# Altium PCB SAC100001-PB-Collar.PcbDoc (part 3 of 4) (continued)
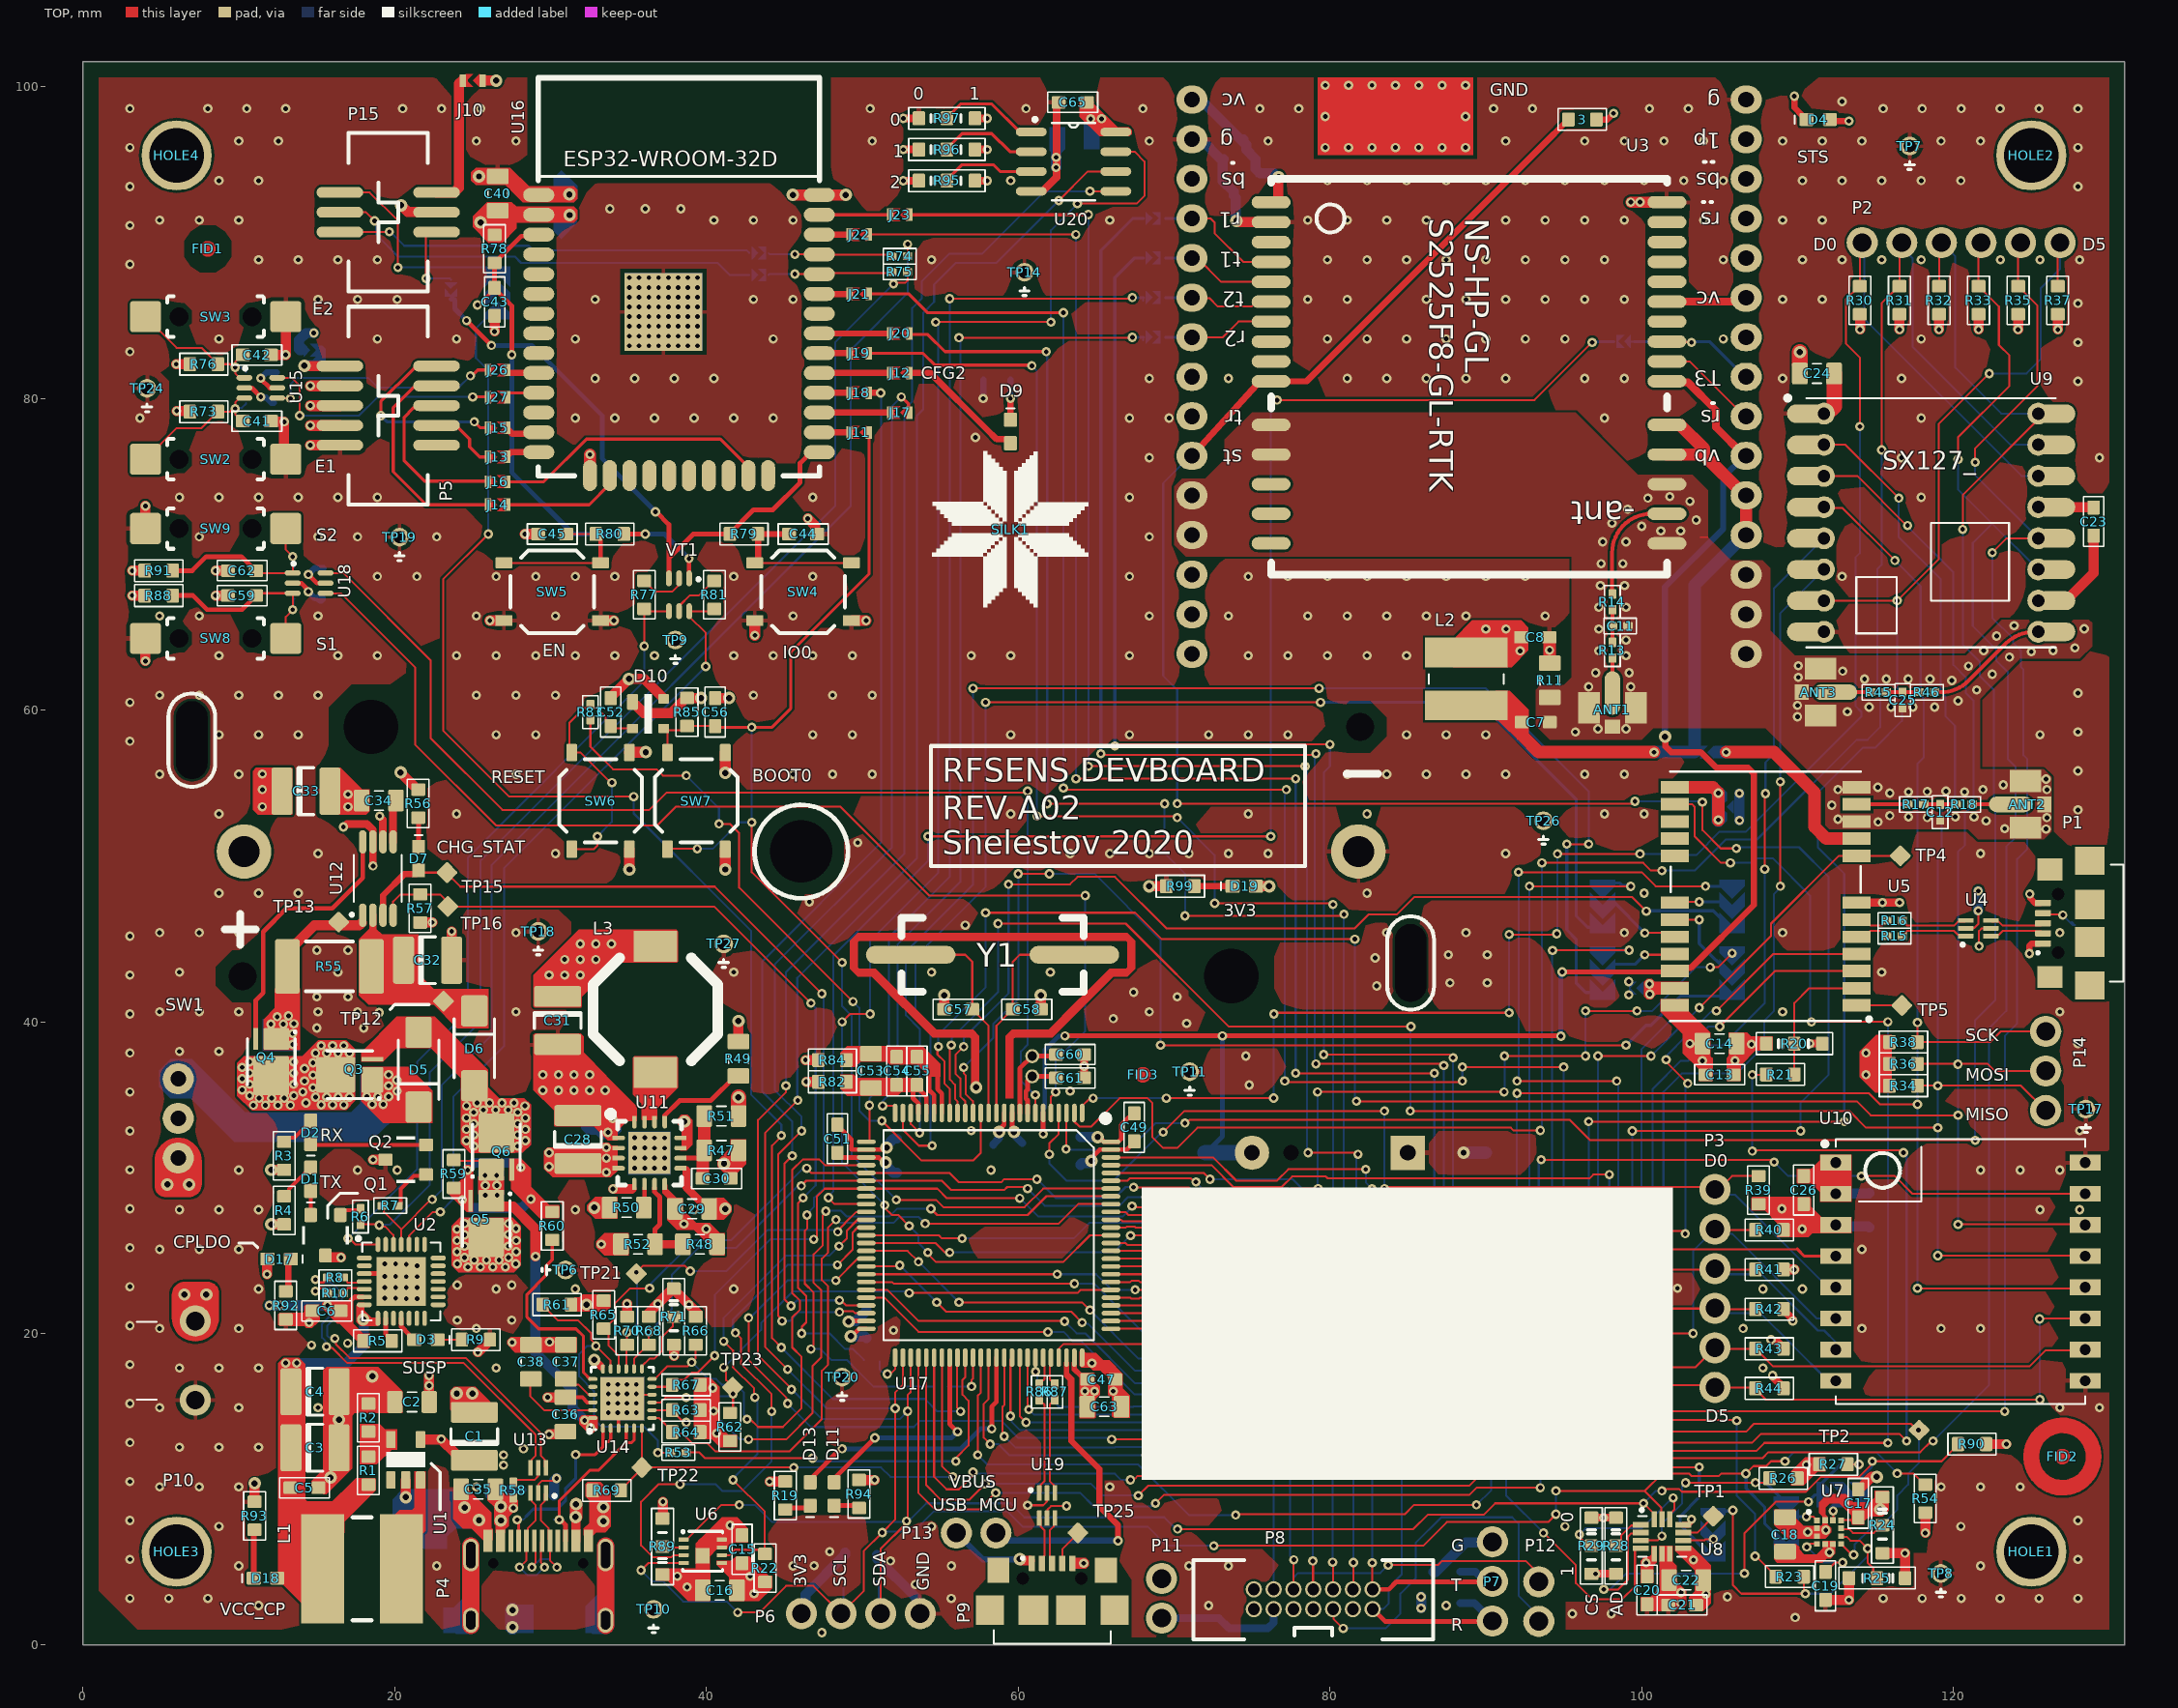
[diagram p0: TOP view]
## Nets (pads, with @x,y where several pads share a name; then routed paths per layer and width w, separated by ;. In a path a pad name is that pad's centre, name@x,y a point inside that pad or via, vN(x,y) a via of type N, cw(c..) or ccw(c..) an arc to the next point about the centre after c; other vN are vias at no path point) (continued)
  BOT w0.127: v1(61.9,20.1) 62.9,20.1 63.5,19.5 64.05,19.5 67.45,16.1 v1(68.6,16.1) ; v1(101.4,16.1) 101.4,35.5 102.577,36.677 106.077,36.677 107.875,38.475 107.875,40.075 108.5,40.7 108.5,48.206 108.9,48.606 v1(108.9,48.7) ; v1(108.9,55.4) 108.9,66.225 U9.6@111.7,69.025
RF2_D0: P3.1 R39.2 U10.5 U17.4 | length 67.3
  TOP w0.127: v1(62,31.5) 62,32.2 62.6,32.8 U17.4@62.6,34.15 ; v1(69.3,32.916) 70.661,34.277 v1(83.5,34.277) ; v1(83.5,29.3) 83.594,29.3 83.691,29.397 104.543,29.397 P3.1@104.7,29.24 104.933,29.24 105.793,30.1 R39.2@107.5,30.1
  BOT w0.127: v1(62,31.5) 62,30.9 63.1,29.8 66.1,29.8 69.216,32.916 v1(69.3,32.916) ; v1(83.5,29.3) v1(83.5,34.277) ; P3.1@104.38,28.9 104.386,28.906 105.716,28.906 105.722,28.9 106,28.9 111.562,23.338 112.087,23.338 U10.5@112.46,22.965
RF2_D1: P3.2 R40.2 U10.6 U17.56 | length 86.8
  TOP w0.127: U17.56@54.6,18.45 54.6,10.8 55.4,10 56.2,10 57.009,10.809 57.009,11.009 v1(57.1,11.1) ; v1(67.2,10.6) 67.291,10.691 67.491,10.691 67.661,10.861 88.861,10.861 89.577,11.577 95.423,11.577 v1(95.6,11.4) ; v1(95.6,20) v1(103.3,20) ; P3.2@104.09,26.65 P3.2@104.14,26.6 ; P3.2@104.7,26.64 R40.2@107.3,26.64
  BOT w0.127: v1(57.1,11.1) 57.191,11.009 57.401,11.009 57.411,11 66.2,11 66.6,10.6 v1(67.2,10.6) ; v1(95.6,11.4) v1(95.6,20) ; v1(103.3,20) 103.3,25.3 P3.2@104.4,26.4 ; P3.2@104.7,26.7 P3.2@104.4,26.4 ; U10.6@112.46,20.965 111.235,20.965 105.8,26.4 P3.2@104.4,26.4
RF2_D2: P3.3 R41.2 U10.7 U17.55 | length 86.7
  TOP w0.127: U17.55@54.1,18.45 54.1,10.264 55.041,9.323 56.848,9.323 v1(57.875,10.35) ; v1(67.7,9.6) 68.325,10.225 88.925,10.225 89.7,11 v1(94.5,11) ; v1(94.5,24.1) 104.64,24.1 P3.3@104.7,24.16 ; P3.3@104.61,24.13 104.64,24.16 104.67,24.13 104.7,24.1 R41.2@107.3,24.1
  BOT w0.127: v1(57.875,10.35) 64.675,10.35 65.425,9.6 v1(67.7,9.6) ; v1(94.5,11) v1(94.5,24.1) ; P3.3@104.4,23.8 107.7,23.8 111.312,20.188 111.712,20.188 112.46,19.44 U10.7@112.46,18.965
RF2_D3: P3.4 R42.2 U10.8 U17.54 | length 86
  TOP w0.127: U17.54@53.6,18.45 53.6,9.764 54.664,8.7 57.475,8.7 v1(58.55,9.775) ; v1(68.8,9.1) 69.338,9.638 88.938,9.638 89.4,10.1 v1(93.5,10.1) ; v1(93.5,21.6) 104.68,21.6 P3.4@104.7,21.62 ; P3.4@104.65,21.61 104.7,21.56 R42.2@107.3,21.56
  BOT w0.127: v1(58.55,9.775) 63.975,9.775 64.85,8.9 68.489,8.9 68.689,9.1 v1(68.8,9.1) ; v1(93.5,10.1) v1(93.5,21.6) ; P3.4@104.1,21.56 104.36,21.3 107.636,21.3 109.677,19.259 109.677,19.248 111.96,16.965 U10.8@112.46,16.965
RF2_D4: P3.5 R43.2 U10.10 U17.96 | length 75.1
  TOP w0.127: U17.96@65.95,30.3 71.9,30.3 v1(72.3,29.9) ; v1(79.5,17.8) 79.531,17.831 103.451,17.831 104.64,19.02 P3.5@104.7,19.08 ; P3.5@104.7,19.02 R43.2@107.3,19.02 107.3,18.97 107.573,18.697 107.623,18.697 108.42,17.9 124.9,17.9 125.928,18.928 128.423,18.928 U10.10@128.46,18.965
  BOT w0.127: v1(72.3,29.9) 77.6,29.9 79.5,28 v1(79.5,17.8)
RF2_D5: P3.6 R44.2 U10.11 U17.95 | length 82.4
  TOP w0.127: U17.95@65.95,29.8 67.004,29.8 67.161,29.957 71.072,29.957 71.306,29.723 v1(71.4,29.723) ; v1(78.2,16.7) 78.223,16.677 104.563,16.677 P3.6@104.7,16.54 ; P3.6@104.72,16.54 107.19,16.54 107.25,16.48 R44.2@107.3,16.48 ; R44.2@107.3,16.43 107.977,15.753 v1(125.553,15.753) ; v1(125.535,20.935) 125.565,20.965 U10.11@128.46,20.965
  BOT w0.127: v1(71.4,29.723) 71.466,29.657 71.466,29.627 71.771,29.323 77.323,29.323 78.275,28.371 78.275,16.775 v1(78.2,16.7) ; P3.6@104.1,16.48 104.572,16.48 P3.6@105.149,15.903 ; v1(125.535,20.935) 125.553,20.917 v1(125.553,15.753) ; U10.11@127.96,20.965 U10.11@128.465,20.965
RF2NSS: U10.15 U17.43 | length 88.4
  TOP w0.127: U17.43@50.25,23.8 v1(62.5,23.8) ; v1(67.5,22.8) 91.1,22.8 91.5,22.4 v1(93.4,22.4) ; v1(93.55,31.15) 93.577,31.123 108.377,31.123 v1(108.5,31) ; v1(114.1,30.1) 116.25,30.1 117.385,28.965 U10.15@128.46,28.965
  BOT w0.127: v1(62.5,23.8) 65,23.8 66,22.8 v1(67.5,22.8) ; v1(93.4,22.4) 93.4,31 v1(93.55,31.15) ; v1(108.5,31) 109.4,30.1 v1(114.1,30.1)
RF2RST: U10.4 U17.44 | length 69.7
  TOP w0.127: U17.44@50.25,23.3 51.9,23.3 52,23.2 v1(63.6,23.2) ; v1(68.275,19.8) 76.8,19.8 77.2,19.4 87.1,19.4 87.6,19.9 v1(89.5,19.9) ; v1@89.61,25.41 109.99,25.41
  TOP w0.2: v1(89.5,25.3) v1@89.61,25.41 ; 109.99,25.41 110.435,24.965 U10.4@112.46,24.965
  BOT w0.127: v1(63.6,23.2) 64.876,23.2 66.055,22.02 v1(68.275,19.8) ; v1(89.5,19.9) v1(89.5,25.3)
RF_MISO: P14.1 R34.2 U9.2 U10.13 U17.17 | length 159.3
  TOP w0.127: v1(55.7,38.5) 55.62,38.42 55.62,37.582 55.62,36.288 55.943,35.965 55.943,35.057 56.1,34.9 U17.17@56.1,34.15 ; v1(58.7,46.3) 66.9,46.3 73.5,39.7 v1(85.2,39.7) ; v1(85.154,34.277) 113.323,34.277 114.4,33.2 v1(119,33.2) ; U9.2@110.625,77.025 U9.2@111.7,77.025 113.075,77.025 v1(116.5,73.6) ; R34.2@117.7,35.9 124.335,35.9 P14.1@125.925,34.31 ; v1(119,25) 128.425,25 U10.13@128.46,24.965
  BOT w0.127: v1(55.7,38.5) 55.727,38.527 55.727,38.927 58.7,41.9 v1(58.7,46.3) ; v1(85.154,34.277) 85.177,34.3 85.177,39.677 v1(85.2,39.7) ; v1(116.5,73.6) 116.486,73.586 116.486,71.114 119.2,68.4 119.2,61.15 119.5,60.85 119.5,59.6 120.102,58.998 120.102,54.452 119.25,53.6 119.25,51.1 119,50.85 v1(119,33.2) v1(119,25) ; U10.13@127.96,24.965 U10.13@128.46,24.965
  other v1: 119,35.9
RF_MOSI: P14.2 R36.2 U9.3 U10.14 U17.18 | length 160.8
  TOP w0.127: v1(54.877,38.411) 54.819,38.353 54.819,37.898 55.277,37.44 55.277,36.023 55.6,35.7 U17.18@55.6,34.15 ; v1(57.9,47) 67.5,47 69.2,45.3 v1(81.6,45.3) ; v1(81.7,34.9) 113.8,34.9 114.7,34 v1(120.3,34) ; U9.3@110.625,75.025 U9.3@111.7,75.025 113.825,75.025 117,71.85 v1(117.063,71.85) ; R36.2@117.7,37.3 122.2,37.3 122.65,36.85 P14.2@125.925,36.85 ; v1(120.3,27) 128.225,27 128.325,27.1 U10.14@128.46,26.965
  BOT w0.127: v1@54.858,38.411 v1(54.877,38.411) 54.877,39.177 57.9,42.2 v1(57.9,47) ; v1(81.6,45.3) 81.6,35 v1(81.7,34.9) ; v1(117.063,71.85) 117.063,71.787 120,68.85 120,62.9 120.8,62.1 120.8,61.1 121.302,60.598 121.302,53.941 120.75,53.389 120.75,51.35 120.3,50.9 v1(120.3,34) v1(120.3,27) ; U10.14@127.512,27.338 128.087,27.338 U10.14@128.46,26.965
  other v1: 120.295,37.277
RF_SCK: P14.3 R38.2 U9.4 U10.12 U17.82 | length 140.7
  TOP w0.127: U17.82@65.95,23.3 67.184,23.3 67.261,23.377 67.739,23.377 67.816,23.3 v1(92,23.3) ; v1(92,35.413) 114.587,35.413 115.3,34.7 v1(117.7,34.7) ; U9.4@110.625,73.025 111.325,73.025 111.39,72.96 112.89,72.96 v1(116.25,69.6) ; v1(117.7,22.9) 127.925,22.9 128.225,23.2 U10.12@128.46,22.965 ; v1(117.7,39.95) R38.2@117.7,38.7 122.375,38.7 123.065,39.39 P14.3@125.925,39.39
  BOT w0.127: v1(92,23.3) 92,35.4 v1(92,35.413) ; v1(116.25,69.6) 117.9,67.95 117.9,60.95 118.1,60.75 118.1,56.95 117.7,56.55 117.7,39.175 v1(117.7,34.7) v1(117.7,22.9) ; U10.12@127.587,23.338 127.96,22.965 U10.12@128.46,22.965
RFGND: ANT1.GND ANT2.GND ANT3.GND C7.1 C11.1 C12.1 C25.1 R11.1 U3.11 U3.12 U3.16 U3.18 U5.10 U5.12 | length 0.1
  TOP w0.5: U3.11@71.145,73.773 U3.11@71.245,73.773
  other v1: 125.95,52.375 123.3,52.4 115.175,52.825 122.1,52.9 112.6,53 118.327,53.1 126,53.1 117.123,53.15 120.125,53.15 121.327,53.15 115.925,53.225 112.2,53.9 115.925,54.675 117.123,54.75 118.327,54.775 120.725,54.75 119.525,54.8 112.6,54.9 121.9,54.9 126,54.9 115.15,55.05 123.2,55.2 125.95,55.575 95.75,58.6 97.2,58.8 99,58.8 110,59.575 113.2,59.9 114.6,60.2 116,60.2 117.4,60.2 118.8,60.2 110,60.3 120.3,60.6 121.5,61.3 96.6,61.5 99.3,61.5 119.9,61.9 114.3,62 115.7,62 117.1,62 118.5,62 110.05,62.1 122.5,62.3 97.05,62.4 99.2,62.4 112.9,62.5 120.975,62.825 110.05,62.85 123.6,63.4 99,63.5 125,63.75 97.25,63.8 121.95,63.825 126.4,63.825 127.8,64 99,64.5 122.775,64.75 97.25,65.2 128.4,65.225 123.9,65.425 97.25,66.6 99,66.6 97.35,68 98.9,68 97.4,69.4 98.8,69.4 97.5,70.8 99,70.8 101.225,71.5 102.5,71.5 100,71.8 98.1,72 103.5,72.2 99.1,72.9 103.1,73.4 100.4,73.6 101.8,73.7
RFVCC: C7.2 J7.1 L2.1 U3.19 U3.20 | length 39
  TOP w0.5: U3.20@101.625,78.3 U3.20@102.475,78.3 ; U3.20@106.605,73.773 U3.20@106.705,73.773
  TOP w0.8: 92.305,58.395 93.4,57.3 v1(100.8,57.3) ; U3.19@101.625,76.4 103.978,76.4 ; U3.20@102.475,78.3 103.978,76.797 103.978,76.4 ; U3.20@106.605,73.773 103.978,76.4 ; U3.19@106.705,71.233 U3.20@106.705,73.773
  BOT w0.5: U3.19@106.605,71.233 U3.19@106.705,71.233
  BOT w0.8: v1(100.8,57.3) 102.8,57.3 103.4,57.3 103.4,68.028 U3.19@106.605,71.233
RTS: R81.1 U2.24 VT1.6 | length 50.9
  TOP w0.127: U2.24@20.912,25.71 20.92,25.719 20.92,26.27 22.45,27.8 v1(22.925,27.8) ; v1(39.95,62.8) 39.95,64.95 38.885,66.015 VT1.6@38.885,66.345 40.345,66.345 R81.1@40.5,66.5
  BOT w0.127: v1(22.925,27.8) 23.75,28.625 23.75,35.175 27,38.425 27,49.85 v1(39.95,62.8)
RTSt2: R81.2 VT1.5 | length 3.3
  TOP w0.127: VT1.5@38.235,66.345 38.271,66.381 38.271,66.708 38.931,67.367 39.517,67.367 40.45,68.3 R81.2@40.5,68.3
SCL: CFG5.1 D15.3 P6.2 R54.2 U6.4 U8.13 U17.52 U20.6 | length 216.5
  TOP w0.127: v1(35.8,4.8) 36.273,5.273 38.523,5.273 U6.4@38.525,5.275 ; v1(42,2.1) 43.4,2.1 45.1,3.8 46.855,3.8 P6.2@48.63,2.025 ; v1(45.2,17.7) 43.75,19.15 43.75,32.85 v1(45.858,34.958) ; P6.2@48.657,2.052 50.1,3.495 50.1,6.05 v1(51.275,7.225) 52.1,8.05 v1(52.1,15.2) 52.1,16.2 52.6,16.7 U17.52@52.6,18.45 ; v1(62.6,92.7) 64.465,94.565 U20.6@66.264,94.565 ; v1(72.55,6.375) 85.975,6.375 87.502,7.902 94.002,7.902 v1(94.5,8.4) ; v1(94.5,9.9) 100.184,9.9 100.192,9.892 ; U8.13@101.309,8.081 101.261,8.129 101.261,8.839 101.245,8.839 100.192,9.892 ; v1(109.2,11.8) 108.3,11.8 107.989,11.489 107.174,11.489 106.697,11.012 v1(106.688,11.012) 105.111,11.012 104.945,10.846 103.214,10.846 103.061,10.999 101.299,10.999 100.192,9.892 ; v1(116.4,11.016) 117.434,11.016 118.15,10.3 R54.2@118.2,10.3
  BOT w0.127: v1(35.8,4.8) 36.5,4.1 37.2,4.1 38.5,2.8 41.3,2.8 v1(42,2.1) ; v1(45.2,17.7) 47.7,15.2 v1(52.1,15.2) ; v1(45.858,34.958) 45.825,34.991 45.825,42.825 53.5,50.5 53.5,78.9 53.9,79.3 53.9,85.5 54.6,86.2 54.6,87.3 56,88.7 58.6,88.7 v1(62.6,92.7) ; P6.2@48.63,2.025 48.778,2.173 48.778,3.928 D15.3@48.925,4.075 ; v1(51.275,7.225) 51.35,7.3 53.3,7.3 54.6,8.6 59.286,8.6 60.286,7.6 68.3,7.6 69.525,6.375 v1(72.55,6.375) ; v1(94.5,8.4) v1(94.5,9.9) ; v1(106.688,11.012) v1@106.7,11 ; v1(109.2,11.8) 109.777,12.377 115.039,12.377 v1(116.4,11.016)
  BOT w0.2: v1@106.7,11 106.7,10.05 107.9,8.85 107.9,7.8 109.2,6.5
SDA: CFG6.1 D15.2 P6.3 R90.2 U6.1 U8.14 U17.53 U20.5 | length 209.8
  TOP w0.127: U6.1@38.525,6.775 38.721,6.775 40.946,9 v1(42.1,9) ; v1(45.1,35.9) 45.1,35.5 43.3,33.7 43.3,18.6 45.45,16.45 v1(45.45,16.4) ; P6.3@51.17,2.025 51.17,6.17 52.847,7.847 52.847,7.952 v1(52.837,7.963) ; v1@52.9,7.963 52.9,14.6 52.9,14.677 v1(52.9,15.013) 52.9,16.05 53.1,16.25 U17.53@53.1,18.45 ; v1(64.6,93.3) 64.603,93.297 66.261,93.297 U20.5@66.264,93.295 ; v1(70.225,7.45) 85.35,7.45 86.284,8.384 89.884,8.384 90.6,9.1 v1(100.12,9.1) 100.809,8.411 U8.14@100.809,8.081 ; v1(101.3,9.9) 101.427,10.027 102.401,10.027 102.583,9.845 110.545,9.845 111.5,10.8 113.966,10.8 114.8,11.634 v1(114.8,11.8) 119.25,11.8 120.3,12.85 R90.2@120.3,12.9
  BOT w0.127: v1(42.1,9) 43.1,9 44.2,7.9 52.774,7.9 v1(52.837,7.963) ; v1(45.1,35.9) 45.1,43.2 52.692,50.792 52.692,79.292 53.2,79.8 53.2,85.8 53.8,86.4 53.8,87.5 55.6,89.3 57.7,89.3 61.7,93.3 v1(64.6,93.3) ; v1(45.45,16.4) 45.5,16.4 47.4,14.5 52.387,14.5 v1(52.9,15.013) ; D15.2@50.925,4.075 51.048,3.952 51.048,2.148 P6.3@51.17,2.025 ; v1@52.837,7.9 52.9,7.9 54.1,9.1 59.5,9.1 60.4,8.2 69.375,8.2 70.125,7.45 v1(70.225,7.45) ; v1(100.12,9.1) 100.92,9.9 v1(101.3,9.9) ; 114.123,10.12 114.4,9.843 CFG6.1@114.4,9.65 ; 114.734,11.434 114.734,11.734 v1(114.8,11.8)
  BOT w0.2: 114.123,10.12 114.123,10.823 114.734,11.434
SHT_ALERT: U6.3 U17.37 | length 37.5
  TOP w0.127: v1(38.3,10.325) 36.925,10.325 35.8,9.2 35.8,6.4 36.552,5.648 37.748,5.648 37.873,5.773 38.523,5.773 U6.3@38.525,5.775 ; v1(41.857,20.043) 42.2,19.7 42.2,18.075 44.175,16.1 v1(44.175,15) ; v1(48.4,24.4) 49.373,25.373 49.373,26.477 49.687,26.791 50.241,26.791 U17.37@50.25,26.8
  BOT w0.127: v1(38.3,10.325) 40.575,10.325 41,9.9 42.284,9.9 44.175,11.791 v1(44.175,15) ; v1(41.857,20.043) 41.7,20.2 41.7,20.9 45.2,24.4 v1(48.4,24.4)
SHT_RST: R22.1 U6.6 U17.36 | length 32.2
  TOP w0.127: U6.6@40.975,5.775 41.475,5.775 41.823,6.123 R22.1@43.477,6.123 ; v1(41.1,19.5) 41.7,18.9 41.7,17.825 43.055,16.47 43.055,15.945 v1(43.1,15.9) ; v1(41.7,10.6) 43.738,8.562 R22.1@43.738,5.862 ; v1(48.5,25.6) 49,26.1 49,26.604 49.687,27.291 50.241,27.291 U17.36@50.25,27.3
  BOT w0.127: v1(41.1,19.5) 41.1,21 45.1,25 47.9,25 v1(48.5,25.6) ; v1(41.7,10.6) 41.7,10.7 43.277,12.277 43.277,15.629 43.1,15.806 v1(43.1,15.9)
ST_D0_N: R86.2 U19.1 | length 6.3
  TOP w0.127: U19.1@61.35,9.755 61.437,9.842 61.437,10.288 61.685,10.537 61.685,15.439 61.611,15.514 61.537,15.514 61.35,15.7 R86.2@61.35,15.75
ST_D0_P: R87.2 U19.3 | length 6.3
  TOP w0.127: U19.3@62.35,9.755 62.264,9.842 62.264,10.288 62.015,10.537 62.015,10.674 62.015,15.439 62.09,15.514 62.164,15.514 62.35,15.7 R87.2@62.35,15.75
ST_D1_N: P9.2 U19.6 | length 3.1
  TOP w0.127: U19.6@61.35,8.145 61.437,8.059 61.437,7.612 61.685,7.363 61.685,5.761 61.662,5.737 61.662,5.386 P9.2@61.525,5.25
ST_D1_P: P9.3 U19.4 | length 3.1
  TOP w0.127: P9.3@62.175,5.25 62.039,5.386 62.039,5.737 62.015,5.761 62.015,7.363 62.264,7.612 62.264,8.059 U19.4@62.35,8.145
ST_D_N: R86.1 U17.70 | length 1.9
  TOP w0.127: R86.1@61.35,16.75 61.35,16.8 61.537,16.986 61.611,16.986 61.685,17.061 61.685,17.235 61.685,17.868 61.6,17.953 U17.70@61.6,18.45
ST_D_P: R87.1 U17.71 | length 1.9
  TOP w0.127: U17.71@62.1,18.45 62.1,17.953 62.015,17.868 62.015,17.371 62.015,17.061 62.09,16.986 62.164,16.986 62.35,16.8 R87.1@62.35,16.75
STAGND: C53.1 C54.1 C55.1 R84.2 U17.19 U17.20 | length 8.5
  TOP w0.3: C55.1@53.5,37.575 54.275,36.8 54.275,35.625 54.6,35.3 U17.20@54.6,34.15 ; C55.1@53.775,38.025 53.8,38.05 54.025,38.05 54.825,37.25 54.825,35.675 55.1,35.4 U17.19@55.1,34.15
STAVCC: C53.2 C54.2 C55.2 R82.2 U17.21 U17.22 | length 4.1
  TOP w0.127: R82.2@49.075,36.15 R82.2@49.25,35.975 ; C53.2@50.525,35.975 C53.2@50.75,35.75
  TOP w0.3: C55.2@53.275,35.625 53.25,35.6 53.25,35.1 53.6,34.75 U17.22@53.6,34.15 ; C55.2@53.75,35.575 53.75,35.55 54.1,35.2 54.1,34.6 U17.21@54.1,34.125
  TOP w0.5: C53.2@50.75,35.75 C53.2@50.85,35.85 ; C54.2@52.1,35.85 C54.2@52.2,35.95
stBOOT0_: J11.1 U16.26 | length 1.9
  TOP w0.4: U16.26@47.235,77.82 J11.1@49.175,77.82
STLED1: D11.A U17.64 | length 17.7
  TOP w0.3: D11.A@46.65,10.65 48.6,12.6 v1(48.7,12.6) ; v1(58.3,13.887) 58.3,15.3 58.6,15.6 U17.64@58.6,18.45
  BOT w0.3: v1(48.7,12.6) 56.3,12.6 57.6,13.9 58.287,13.9 v1(58.3,13.887)
STLED2: D13.A U17.58 | length 14.1
  TOP w0.3: D13.A@48.186,10.686 v1(50.8,13.3) ; U17.58@55.6,18.45 55.6,15.416 55.6,14.2 v1(56.1,13.7)
  BOT w0.3: v1(50.8,13.3) 55.7,13.3 v1(56.1,13.7)
STUEV1: U17.5 U18.4 | length 75.5
  TOP w0.127: U18.4@15.555,67.5 15.575,67.48 16.57,67.48 21.3,62.75 21.3,57.8 26.5,52.6 36.825,52.6 38.025,53.8 48.6,53.8 54.3,48.1 v1(64.3,48.1) ; U17.5@62.1,34.15 62.1,35.2 v1(62.4,35.5)
  BOT w0.127: v1(62.4,35.5) 62.4,37.5 64.3,39.4 v1(64.3,48.1)
STUEV2: U17.7 U18.6 | length 76
  TOP w0.127: U18.6@15.555,68.8 15.575,68.78 16.72,68.78 22.3,63.2 22.3,58.2 26.9,53.6 36.325,53.6 37.425,54.7 60.289,54.7 60.299,54.709 60.509,54.709 v1(60.6,54.8) ; v1(61.093,35.307) 61.1,35.3 U17.7@61.1,34.15
  BOT w0.127: v1(60.6,54.8) 60.6,38.528 60.173,38.101 60.173,36.199 61.065,35.307 v1(61.093,35.307)
SVBUSa: P9.1 P13.1 | length 5.4
  TOP w0.65: v3(60.1,5.525) 60.2,5.425 P9.1@60.75,5.425
  BOT w0.4: P13.1@56.03,7.2 57.73,5.5 v3@59.89,5.5
  BOT w0.65: v3@60,5.5 60.025,5.525 v3(60.1,5.525)
SVBUSb: P13.2 U17.73 | length 19.5
  TOP w0.4: 63.4,16.925 63.4,13.1 65.2,11.3 65.2,8.9 66.4,7.7 v1(66.4,6.7)
  BOT w0.4: P13.2@58.935,7.2 59.435,6.7 v1(66.4,6.7)
  BOT w0.65: P13.2@58.57,7.2 P13.2@58.935,7.2
TCK: J14.2 P5.4 | length 14.4
  TOP w0.127: P5.4@21.2,80.7 22.565,80.7 P5.4@22.675,80.81
  TOP w0.2: P5.4@21.2,80.7 19.9,79.4 19.9,75.3 22.02,73.18 J14.2@25.975,73.18
TCK_: J14.1 U16.16 | length 7.7
  TOP w0.127: U16.16@33.79,74.5 U16.16@33.79,75.05
  TOP w0.2: J14.1@27.225,73.18 32.47,73.18 U16.16@33.79,74.5
TDI: J13.2 P5.8 | length 4.4
  TOP w0.2: P5.8@22.675,78.27 23.93,78.27 24.8,77.4 24.8,76.9 25.45,76.25 J13.2@25.975,76.25
TDI_: J13.1 U16.14 | length 2.2
  TOP w0.4: J13.1@27.225,76.25 27.225,76.33 27.445,76.55 U16.14@29.235,76.55
TDO: J16.2 P5.6 | length 12.7
  TOP w0.127: P5.6@21.44,79.54 P5.6@22.675,79.54 ; J16.2@25.839,74.992 25.975,74.855 J16.2@25.975,74.655
  TOP w0.2: P5.6@22.675,79.54 21.39,79.54 21.223,79.373 21.173,79.373 20.6,78.8 20.6,76 21.9,74.7 25.93,74.7 J16.2@25.975,74.655
TDO_: J16.1 U16.23 | length 17.9
  TOP w0.127: U16.23@42.656,75.026 U16.23@42.68,75.05 U16.23@42.68,75.6
  TOP w0.2: J16.1@27.225,74.655 29.555,74.655 32.3,77.4 40.88,77.4 U16.23@42.68,75.6
TMS: J15.2 P5.2 | length 12.7
  TOP w0.2: v1(19.1,78.9) 19.1,79.8 21.193,81.893 21.203,81.893 21.39,82.08 P5.2@22.675,82.08 ; v1(25.1,78.5) 25.48,78.12 J15.2@25.975,78.12
  TOP w0.4: J15.2@25.975,78.12 J15.2@25.975,78.2
  BOT w0.2: v1(19.1,78.9) 19.5,78.5 v1(25.1,78.5)
TMS_: J15.1 U16.13 | length 2.3
  TOP w0.4: J15.1@27.225,78.12 27.225,78.04 27.541,77.724 29.139,77.724 U16.13@29.235,77.82
TypeC-CC1: D8.3 P4.A5 U14.1 U14.2 | length 12.6
  TOP w0.2: P4.A5@27.95,6.695 v1@27.95,7.95 ; v1(31.6,12.225) 32.85,12.225 33.35,12.725 33.35,13.05 ; U14.1@33.35,13.925 33.35,13.05 ; U14.2@33.85,13.925 33.85,13.199 33.701,13.05 33.35,13.05
  BOT w0.127: v1(27.85,8.05) 28.25,8.05 28.423,8.223 D8.3@28.423,8.273
  BOT w0.2: D8.3@28.423,8.273 28.875,8.725 30.425,8.725 30.95,9.25 30.95,10.025 31.6,10.675 v1(31.6,12.225)
TYPEC_SHIELD: C68.2 P4.SHIELD R100.2 | length 20.5
  TOP w0.65: P4.SHIELD@24.88,1.808 P4.SHIELD@25.042,1.969
  TOP w1.1: P4.SHIELD@24.88,1.275 P4.SHIELD@24.88,6.35 ; P4.SHIELD@33.52,1.275 P4.SHIELD@33.52,6.35
  BOT w1.1: P4.SHIELD@24.88,1.275 P4.SHIELD@24.88,6.35 ; P4.SHIELD@33.52,1.275 P4.SHIELD@33.52,6.35
UB_C\S\: CFG1.3 U17.42 | length 104.1
  TOP w0.127: U17.42@50.25,24.3 52.318,24.3 v1(52.395,24.377) ; v1(54.772,22) 55.372,21.4 63.4,21.4 v1(64.1,20.7) ; v1(68.5,17.6) 72.775,17.6 73.025,17.85 77.55,17.85 78.1,18.4 99,18.4 v1(99.3,18.7) ; v1(92,36.2) v1(98.4,36.2) ; v1(92.1,49.6) 100,49.6 100.9,48.7 v1(104.1,48.7)
  BOT w0.127: v1(52.395,24.377) v1(54.772,22) ; v1(64.1,20.7) 64.166,20.634 64.466,20.634 67.5,17.6 v1(68.5,17.6) ; v1(92,36.2) 92.1,36.3 v1(92.1,49.6) ; v1(98.4,36.2) 98.5,36.1 98.5,26.6 99.3,25.8 v1(99.3,18.7) ; v1(104.1,48.7) v1@104.112,48.687 ; CFG1.3@105.787,48.687 CFG1.3@105.8,48.675
  BOT w0.2: v1@104.112,48.687 CFG1.3@105.787,48.687
UB_D0_N: R15.2 U4.1 | length 4.4
  TOP w0.127: R15.2@116.725,45.5 116.775,45.5 116.962,45.687 116.962,45.761 117.036,45.835 118.571,45.835 120.031,45.835 120.279,45.587 120.709,45.587 U4.1@120.795,45.5
UB_D0_P: R16.2 U4.3 | length 4.4
  TOP w0.127: R16.2@116.725,46.5 116.775,46.5 116.962,46.314 116.962,46.24 117.036,46.165 118.434,46.165 120.031,46.165 120.279,46.414 120.709,46.414 U4.3@120.795,46.5
UB_D1_N: P1.2 U4.6 | length 3.5
  TOP w0.127: U4.6@122.405,45.5 122.492,45.587 122.921,45.587 123.169,45.835 125.239,45.835 125.263,45.812 125.614,45.812 P1.2@125.75,45.675
UB_D1_P: P1.3 U4.4 | length 3.5
  TOP w0.127: U4.4@122.405,46.5 122.492,46.414 122.921,46.414 123.169,46.165 125.239,46.165 125.263,46.189 125.614,46.189 P1.3@125.75,46.325
UB_D_N: R15.1 U5.5 | length 2.3
  TOP w0.127: U5.5@113.8,45.45 114.3,45.45 114.685,45.835 115.414,45.835 115.489,45.761 115.489,45.687 115.675,45.5 R15.1@115.725,45.5
UB_D_P: R16.1 U5.6 | length 2.3
  TOP w0.127: U5.6@113.8,46.55 114.3,46.55 114.685,46.165 115.414,46.165 115.489,46.24 115.489,46.314 115.675,46.5 R16.1@115.725,46.5
UB_DSEL: R20.2 R21.2 U5.2 | length 9
  TOP w0.127: R21.2@109.8,36.625 R20.2@109.8,38.6 109.8,41.2 110.75,42.15 U5.2@113.8,42.15
UB_EXTI: U5.4 U17.38 | length 82.8
  TOP w0.127: U17.38@50.25,26.3 54.9,26.3 55.1,26.1 v1(56.4,26.1) ; v1(76.9,24.323) 80.839,24.323 80.993,24.477 86.323,24.477 86.923,23.877 93.623,23.877 94.1,23.4 v1(97.2,23.4) ; v1(97.2,37.8) v1(100.6,37.8) ; v1(104.8,40.7) 108.45,44.35 U5.4@113.8,44.35
  BOT w0.127: v1(56.4,26.1) 63.561,26.1 64.561,27.1 74.123,27.1 v1(76.9,24.323) ; v1(97.2,23.4) v1(97.2,37.8) ; v1(100.6,37.8) 102.5,39.7 103.5,39.7 104.434,40.634 104.734,40.634 v1(104.8,40.7)
UB_LNA_EN: U5.14 U17.63 | length 116.8
  TOP w0.127: U17.63@58.1,18.45 58.1,15.8 57.787,15.486 57.787,13.313 v1(58.2,12.9) ; v1(68.2,12.2) 68.222,12.2 68.522,11.9 88.6,11.9 89.157,12.457 107.357,12.457 107.877,12.977 v1(115.8,12.977) ; U5.14@102.116,53.95 103.251,53.95 103.4,53.801 103.4,51.9 105.1,50.2 v1(105.7,50.2) ; v1(110.9,40) v1(115.8,40)
  BOT w0.127: v1(58.2,12.9) 58.725,12.9 59.425,12.2 v1(68.2,12.2) ; v1(105.7,50.2) 107.1,50.2 107.4,50.5 108.4,50.5 110.8,48.1 110.8,40.322 110.834,40.288 110.834,40.066 v1(110.9,40) ; v1(115.8,12.977) v1(115.8,40)
UB_R\S\T\: TP4.1 U5.8 U17.40 | length 94.1
  TOP w0.127: U17.40@50.25,25.3 52.9,25.3 v1(53.6,24.6) ; v1(56.2,22) 64.1,22 v1(64.6,21.5) ; v1(69.2,18.4) 77,18.4 77.5,18.9 98.6,18.9 99.1,19.4 v1(100,19.4) ; v1(103.7,40.9) 108.3,45.5 108.3,46.3 112.65,50.65 U5.8@113.8,50.65 TP4.1@116.6,50.65
  BOT w0.127: v1(53.6,24.6) v1(56.2,22) ; v1(64.6,21.5) 67.7,18.4 v1(69.2,18.4) ; v1(100,19.4) 100,38.25 102.175,40.425 103.225,40.425 v1(103.7,40.9)
UB_RX: CFG4.1 U17.23 | length 89.8
  TOP w0.127: U17.23@53.1,34.15 53.109,34.141 53.109,33.441 v1(53.675,32.875) ; v1(57.1,61.4) v1(79.3,61.4) ; v1(95.2,51.4) v1(96.6,51.4)
  BOT w0.127: v1(53.675,32.875) 53.675,39.539 52.8,40.414 52.8,44.5 57.1,48.8 v1(57.1,61.4) ; v1(79.3,61.4) 90,61.4 96.6,54.8 v1(96.6,51.4)
  BOT w0.2: v1(95.2,51.4) 95.2,45.9 95.8,45.3 95.8,42.5 96.417,41.883 97.017,41.883
UB_SCL: CFG2.1 U17.15 | length 72.7
  TOP w0.127: v1(56.5,37.075) 56.5,36.7 56.629,36.571 56.629,35.371 57.091,34.909 57.091,34.159 U17.15@57.1,34.15 ; v1(60,49.5) v1(62,49.5) ; v1(69.125,38.5) 98.993,38.5 v1(98.996,38.504)
  BOT w0.127: v1(56.5,37.075) 58.4,38.975 58.4,39.859 60,41.459 v1(60,49.5) ; v1(62,49.5) 64.9,49.5 69.125,45.275 v1(69.125,38.5) ; v1(98.996,38.504) v1@99,38.5
  BOT w0.2: v1@99,38.5 100.275,39.775 100.6,39.775 102.475,41.65 CFG2.1@105.8,41.65
UB_SDA: CFG1.1 U17.16 | length 66.1
  TOP w0.127: v1(56.5,38.4) 55.973,37.873 55.973,36.674 56.286,36.362 56.286,35.214 56.6,34.9 U17.16@56.6,34.15 ; v1(59.377,48.823) 63.323,48.823 63.8,49.3 66.2,49.3 69.5,46 81.6,46 82.5,46.9 84.3,46.9 85.4,48 99.4,48 v1(100.3,47.1)
  BOT w0.127: v1(56.5,38.4) 56.5,38.95 59.377,41.827 v1(59.377,48.823) ; v1@100.25,47.175 v1@100.302,47.123
  BOT w0.2: v1@100.302,47.123 104.602,47.123 CFG1.1@105.8,45.925
UB_TPULS: U5.3 U17.39 | length 80.2
  TOP w0.127: U17.39@50.25,25.8 54.7,25.8 55.3,25.2 v1(55.6,25.2) ; v1(67.204,26.28) 67.224,26.3 78.4,26.3 78.677,26.023 82.539,26.023 83.093,26.577 102.623,26.577 v1(102.8,26.4) ; v1(101.575,37.575) 101.575,37.425 v1(102.958,36.042) ; v1(105.015,39.694) 105.015,39.715 108.55,43.25 U5.3@113.8,43.25
  BOT w0.127: v1(55.6,25.2) 66.1,25.2 67.087,26.187 67.111,26.187 v1(67.204,26.28) ; v1(101.575,37.575) 101.575,37.801 102.899,39.125 103.71,39.125 104.279,39.694 v1(105.015,39.694) ; v1(102.8,26.4) 102.8,35.79 102.958,35.948 v1(102.958,36.042)
UB_TX: CFG3.1 U17.24 | length 83.8
  TOP w0.127: U17.24@52.6,34.15 52.6,33.075 53.625,32.05 v1(54.475,32.05) ; v1(57.9,60.5) v1(79.4,60.5)
  BOT w0.127: v1(54.475,32.05) 54.363,32.162 54.363,39.737 53.4,40.7 53.4,44.151 57.9,48.651 v1(57.9,60.5)
  BOT w0.2: v1(79.4,60.5) 89.6,60.5 95.8,54.3 95.8,46.8 96.532,46.068 97.232,46.068
UBVBUS: P1.1 U4.5 U5.7 | length 5.6
  TOP w0.127: v1(121.65,44.85) 121.65,45.833 121.797,45.98 122.385,45.98 U4.5@122.405,46
  TOP w0.4: v1@121.641,44.925 121.65,44.916 v1(121.65,44.85) ; v1@124.9,44.375 124.875,44.4 124.875,44.875 125.025,45.025 P1.1@125.5,45.025
  TOP w0.5: U5.7@114.05,47.65 v1(115.45,47.65) v1(116.55,47.65)
  other v1: 124.875,44.375
UEV1: J26.2 U15.4 | length 15.3
  TOP w0.127: U15.4@12.455,80.025 13.275,80.025 v1(13.3,80) ; v1(24.85,81.45) v1@24.944,81.45
  TOP w0.2: v1@24.944,81.45 25.324,81.83 J26.2@25.975,81.83
  BOT w0.127: v1(13.3,80) 13.3,80.9 13.724,81.324 18.277,81.324 18.9,80.7 24.1,80.7 v1(24.85,81.45)
UEV1_: J26.1 U16.10 | length 2.2
  TOP w0.127: J26.1@27.225,81.83 27.225,81.703 J26.1@27.298,81.63
  TOP w0.4: J26.1@27.298,81.63 U16.10@29.235,81.63
UEV2: J27.2 U15.6 | length 16.1
  TOP w0.127: U15.6@12.455,81.325 13.375,81.325 13.9,80.8 13.9,79.9 v1(13.9,78.9) ; J27.2@25.96,80.1 J27.2@25.975,80.085
  TOP w0.2: v1(25,80.1) J27.2@25.96,80.1
  BOT w0.127: v1(13.9,78.9) 15.537,78.9 17.7,78.9 18.9,80.1 v1(25,80.1)
UEV2_: J27.1 U16.11 | length 2.2
  TOP w0.127: J27.1@27.225,80.085 27.225,80.285 J27.1@27.3,80.36
  TOP w0.2: J27.1@27.3,80.36 U16.11@29.235,80.36
UEVf1: C41.1 D16.2 R73.1 SW2.2 U15.3 | length 10
  TOP w0.127: SW2.2@4,76.1 6,78.1 7.6,78.1 R73.1@8.65,79.15 9.422,79.15 9.622,79.35 v1(9.75,79.35) ; v1@9.766,79.284 9.766,78.984 C41.1@10.2,78.55 ; v1@9.766,79.416 9.766,79.748 10.044,80.025 U15.3@10.345,80.025
  BOT w0.127: v1@9.7,79.35 9.75,79.4 10.2,79.4 10.45,79.65 D16.2@10.45,79.7
UEVf2: C42.1 D16.3 R76.1 SW3.2 U15.1 | length 10.1
  TOP w0.127: SW3.2@4,85.25 6,83.25 7.6,83.25 R76.1@8.65,82.2 9.422,82.2 9.622,82 v1@9.7,82 ; C42.1@10.25,82.8 10.2,82.8 9.766,82.366 9.766,82.066 v1@9.7,82 ; U15.1@10.345,81.325 10.044,81.325 9.766,81.602 9.766,81.934 v1@9.7,82
  BOT w0.127: v1@9.7,82 9.727,81.973 10.227,81.973 10.45,81.75 D16.3@10.45,81.7
  other v1: 9.75,82
UGND: C13.1 C14.1 J1.1 P1.5 U4.2 U5.13 U5.24 | length 8.8
  TOP w0.127: U4.2@120.795,46 120.818,46.023 121.355,46.023 121.6,46.268 v1(121.6,47.125)
  TOP w0.4: v1(124.9,48.2) 124.938,48.162 124.938,47.921 125.234,47.625 P1.5@125.56,47.625
  TOP w0.8: U5.13@102.116,55.05 102.85,55.05 104.575,55.05 v1@104.925,54.7 ; v1@104.925,52.925 v1@104.925,54.7 ; v1(104.925,54.675) v1@104.925,54.7
  BOT w0.65: v1(121.6,47.125) v1(121.6,48.4)
  other v1: 103.9,37.5 103.1,38.6 104.925,52.95
USB_D1_N: R10.2 U2.5 | length 1.6
  TOP w0.127: R10.2@16.687,22.59 16.737,22.59 16.923,22.777 16.923,22.851 16.997,22.925 17.575,22.925 17.66,22.84 U2.5@18.042,22.84
USB_D1_P: R8.2 U2.4 | length 1.6
  TOP w0.127: R8.2@16.687,23.59 16.737,23.59 16.923,23.404 16.923,23.33 16.997,23.255 17.575,23.255 17.66,23.34 U2.4@18.042,23.34
VB_CONST: D5.C Q3.1 SW1.1 | length 0.1
  TOP w0.65: Q3.1@18.9,35.9 Q3.1@18.925,35.875
  BOT w1.6: SW1.1@6.1,36.34 SW1.1@6.177,36.263
  other v1: 18.55,34.7 19.25,34.7 18.2,35.2 18.9,35.2 19.6,35.2 20.15,35.55 19.6,35.9 20.125,36.25 19.6,36.6